# Altium PCB MB1397.PcbDoc (part 3 of 11) (continued)
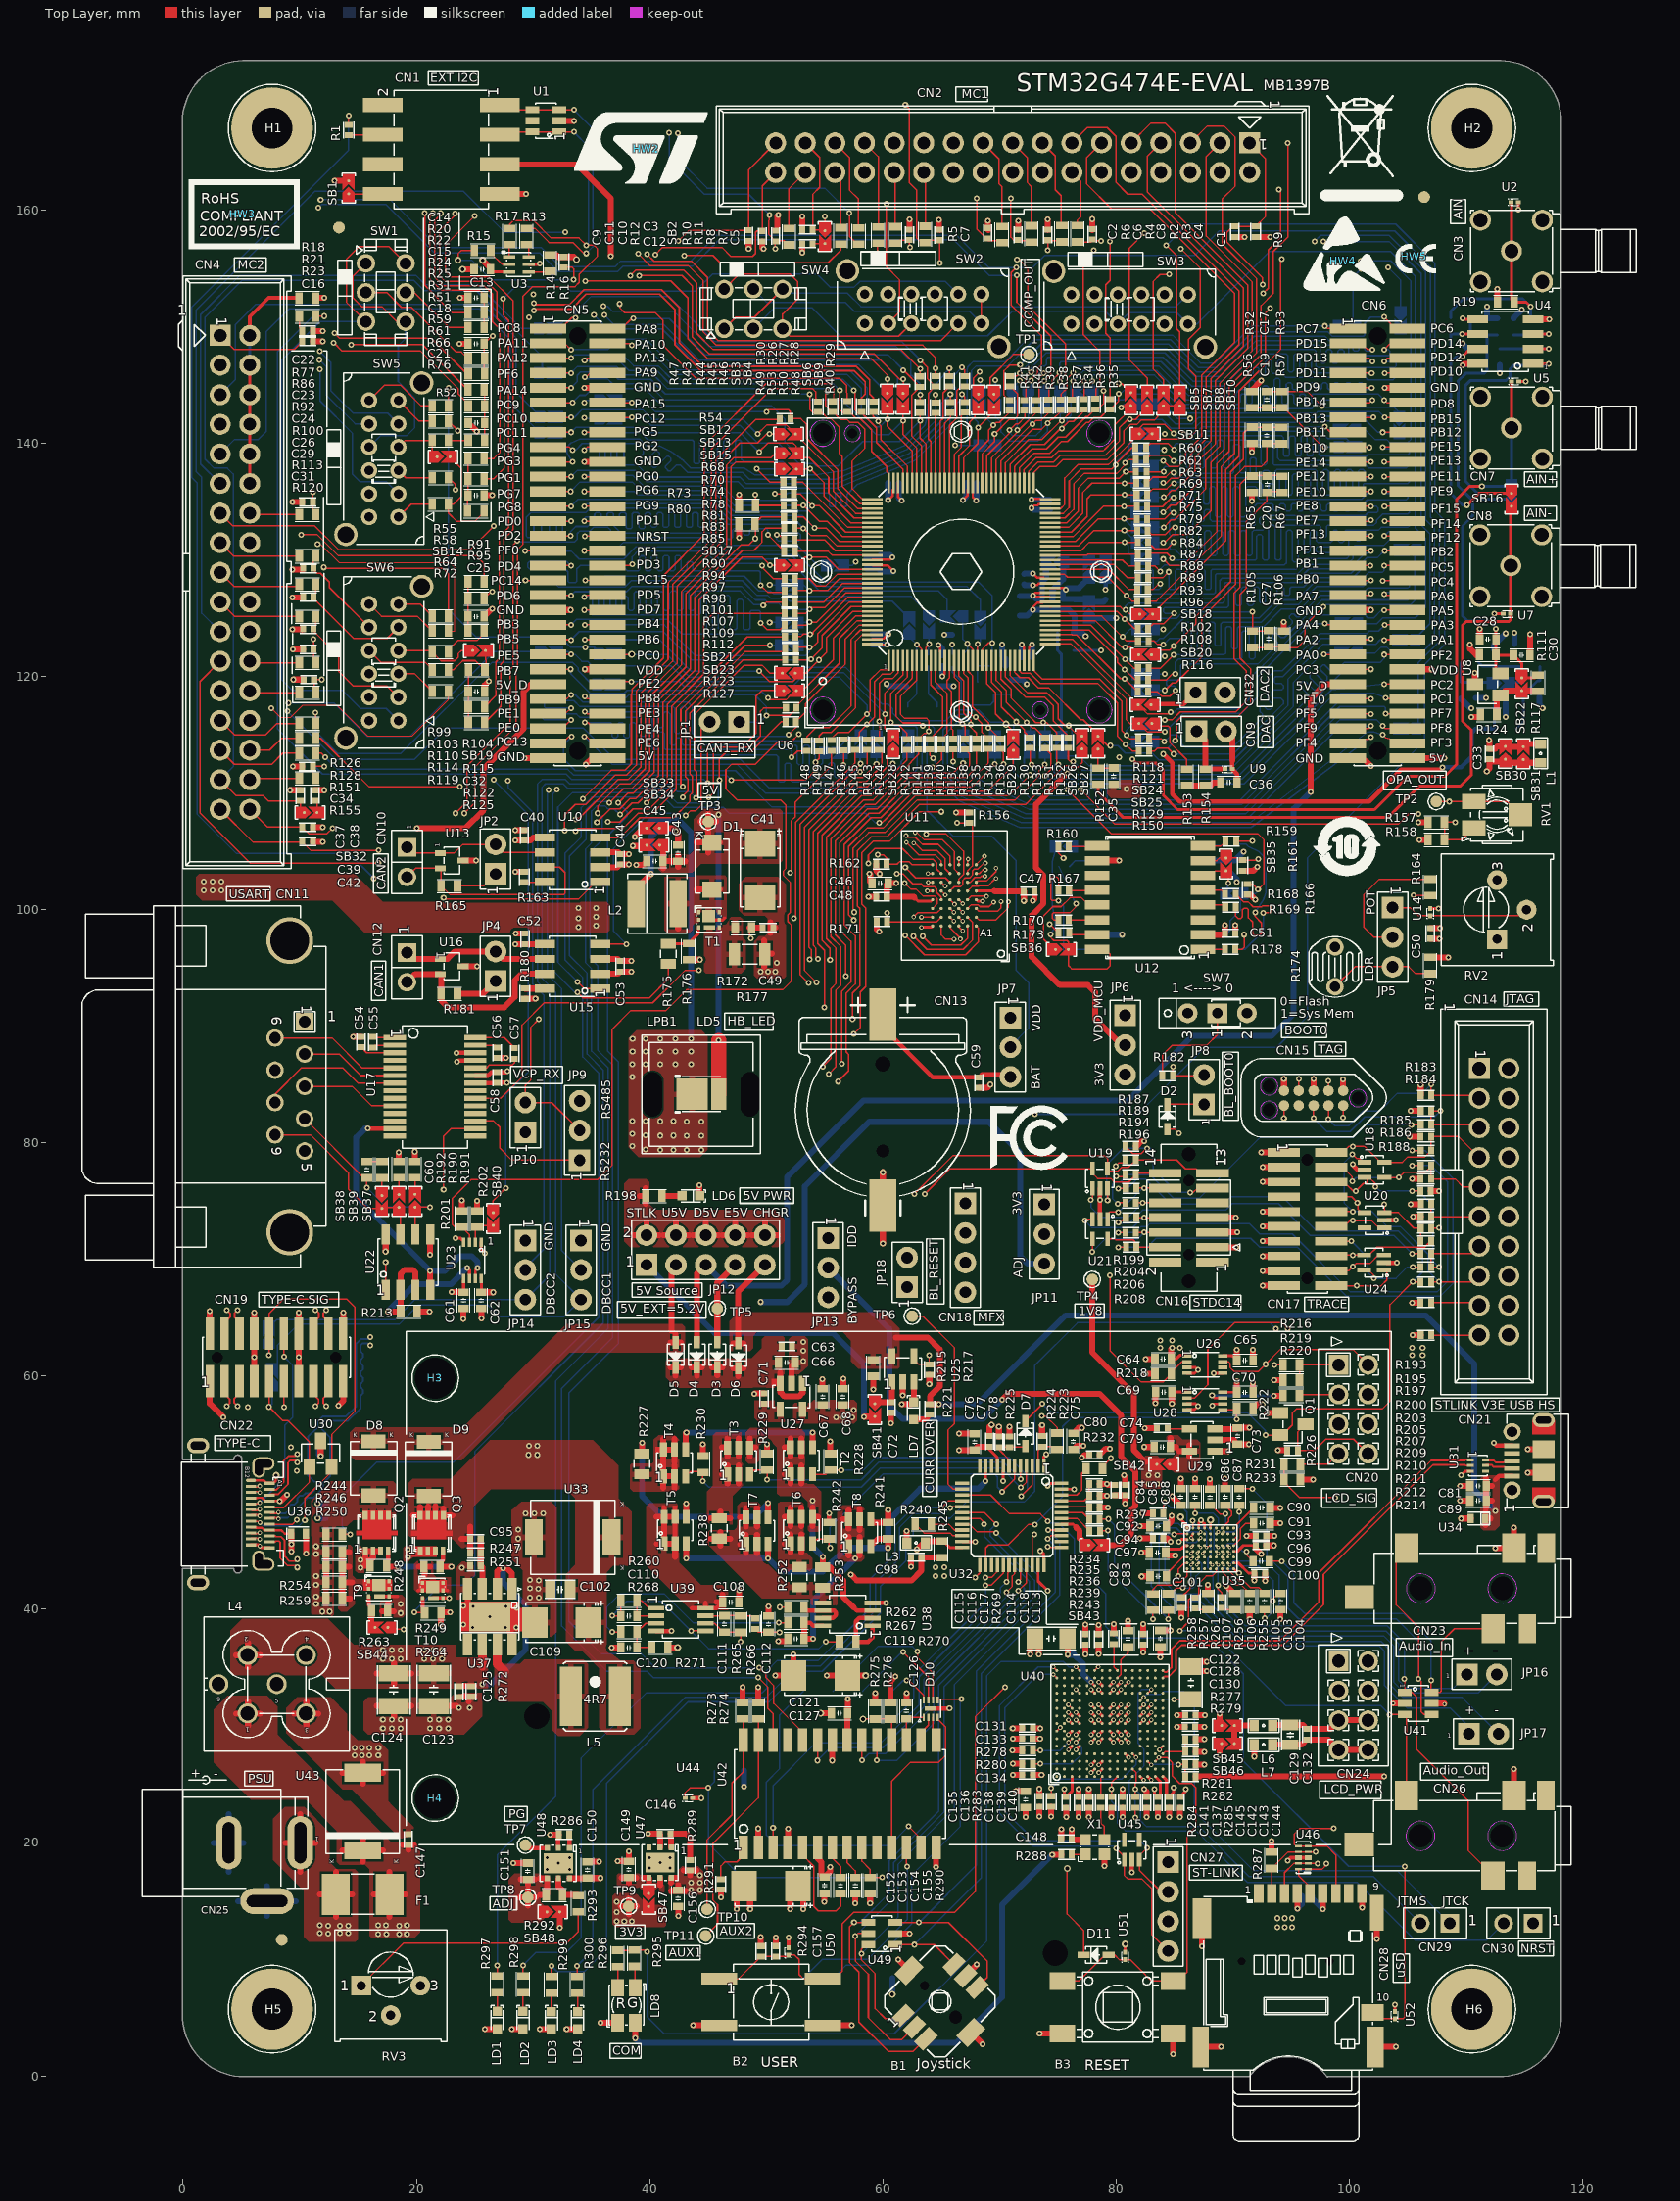
[diagram p0: Top Layer view]
## Nets (pads, with @x,y where several pads share a name; then routed paths per layer and width w, separated by ;. In a path a pad name is that pad's centre, name@x,y a point inside that pad or via, vN(x,y) a via of type N, cw(c..) or ccw(c..) an arc to the next point about the centre after c; other vN are vias at no path point)
1V8: C93.1 C97.2 C100.1 SB42.2 TP4.1 U35.D1 U35.D8 U35.G9 | length 24.4
  Top Layer w0.229: 85.9,45.463 85.903,45.466 ; U35.D8@89.577,45.466 v4(89.736,45.306) ; U35.G9@90.077,43.966 90.477,43.965
  Top Layer w0.249: 85.903,45.466 U35.D1@86.077,45.466
  Top Layer w0.254: C97.2@84.237,44.879 84.279,44.922 84.521,45.161 85.55,45.161 85.649,45.26 85.697,45.26 85.9,45.463 ; 90.477,43.965 91.343,43.101 C100.1@91.851,43.101
  Top Layer w0.508: TP4.1@77.948,68.278 77.948,62.027 81.506,58.468 81.506,53.642 82.522,52.626 ; C97.2@84.237,44.879 84.491,44.625 v1(85.062,44.625) ; v1(91.158,46.276) C93.1@91.978,46.276 ; v1(91.851,42.466) C100.1@91.851,43.101
  other v1: 82.776,50.721 83.538,50.721 82.776,51.483 83.538,51.483
1V8_LDO: C79.2 SB42.1 U29.5 | length 3.1
  Top Layer w0.508: C79.2@84.654,53.911 C79.2@84.653,53.912 ; 84.679,54.686 84.679,54.657 84.654,54.632 C79.2@84.654,53.911 85.138,53.911 ; 85.435,53.558 U29.5@86.264,53.559 ; 86.263,53.081 U29.5@86.264,53.559 ; 86.263,54.036 U29.5@86.264,53.559
3V3: C58.1 C62.2 C65.2 C70.2 C73.2 C84.2 C96.1 C186.1 CN2.28 CN4.28 CN24.1 CN24.2 CN28.4 JP6.3 JP11.1 LD1.1 LD2.1 LD3.1 LD4.1 R9.2 R23.2 R111.2 R191.1 R219.2 R226.1 R287.2 SB45.1 SB47.2 SW2.1 SW2.4 SW2.7 SW3.1 SW3.4 SW3.7 TP9.1 U17.22 U17.26 U22.8 U23.8 U26.8 U28.8 U29.1 U29.3 U35.B2 U35.C2 U35.E9 | length 38.5
  Top Layer w0.229: U35.C2@86.577,45.966 v4(86.416,46.124) U35.B2@86.577,46.466 ; U28.8@89.152,58.616 C70.2@90.307,58.616 ; U35.E9@90.077,44.966 90.396,44.966 90.899,45.469 C96.1@91.951,45.469
  Top Layer w0.254: U23.8@25.551,68.372 25.563,68.36 C62.2@25.563,67.182 ; U26.8@89.151,61.735 89.931,61.735 C65.2@90.331,61.337 ; C70.2@90.307,58.616 C70.2@90.331,58.594
  Top Layer w0.381: v1(23.434,87.711) U17.26@25.04,87.713 ; U17.22@25.04,85.113 26.888,85.113 C58.1@26.924,85.148 v1(27.777,85.146)
  Top Layer w0.508: R23.2@11.118,149.606 11.118,149.603 v1(11.986,149.603) ; v1(17.366,70.665) U22.8@17.367,72.141 ; R191.1@19.847,78.409 v1(19.848,79.233) ; C62.2@25.563,67.182 v1(26.591,67.18) ; v1(25.88,4.016) LD1.1@26.924,4.016 ; v1(28.166,4.016) LD2.1@29.143,4.016 ; v1(30.579,4) LD3.1@31.567,4.002 ; v1(32.865,4) LD4.1@33.81,4.002 ; 37.521,14.526 TP9.1@38.199,14.526 ; 38.199,13.848 TP9.1@38.199,14.526 ; 38.199,15.204 TP9.1@38.199,14.526 ; 38.877,14.526 TP9.1@38.199,14.526 ; v1(84.778,49.675) C84.2@85.529,48.926 ; C84.2@85.529,48.926 C84.2@85.529,48.925 ; U29.1@88.464,53.559 v1(89.616,53.558) ; U29.3@88.464,55.459 90.315,55.458 90.411,55.557 v1(91.412,55.557) ; v1(88.872,31.036) 88.872,30.183 SB45.1@89.035,30.023 ; C70.2@90.331,58.594 v1(90.33,59.55) ; C65.2@90.331,61.337 v1(90.33,62.238) ; R9.2@91.945,157.665 v1(93.182,157.663) ; C96.1@91.951,45.469 91.951,45.23 v1(92.428,44.752) ; R287.2@93.323,19.176 v1(93.322,20.119) ; v1(93.546,59.637) 94.31,59.637 R219.2@94.311,59.639 ; v1(93.848,53.619) R226.1@94.673,53.619 ; v1(95.522,14.318) CN28.4@95.523,15.625 ; v1(110.335,122.73) 110.335,122.349 110.876,121.808 R111.2@111.15,121.808
  Bottom Layer w0.508: v1(95.522,14.318) 95.915,14.712 C186.1@95.915,15.415
  other v1: 93.825,12.748 94.46,12.748 95.095,12.748 37.183,13.256 37.818,13.256 38.453,13.256 93.825,13.51 94.46,13.51 95.095,13.51 37.183,14.018 37.183,14.907
3V3_STLK: C67.2 C68.2 C113.2 C116.2 C117.2 C118.2 C128.2 C130.2 C131.2 C133.2 C134.2 C135.2 C136.2 C137.2 C138.2 C139.2 C140.2 C142.2 C143.2 C144.2 C145.2 C148.2 CN27.1 LD8.4 R278.1 R288.1 U27.5 U40.C1 U40.C5 U40.C7 U40.C8 U40.C9 U40.F3 U40.G3 U40.G13 U40.H13 U40.J12 U40.J13 U40.K4 U40.N8 U40.N9 U40.N10 U40.P1 U40.R1 X1.4 | length 78.3
  Top Layer w0.254: v1(75.537,24.559) 75.537,24.064 75.702,23.899 76.205,24.399 U40.C1@76.205,25.653 ; v2(75.901,29.249) U40.C7@76.203,29.551 ; v2(75.901,30.505) U40.C8@76.203,30.203 ; v2(75.901,31.155) U40.C9@76.203,30.853 ; v2(75.902,27.949) U40.C5@76.205,28.251 ; v2(77.852,26.65) U40.F3@78.155,26.953 ; v2(78.501,33.755) U40.G13@78.805,33.453 ; v2(78.502,26.65) U40.G3@78.805,26.953 ; U40.H13@79.455,33.453 v2(79.757,33.756) ; U40.J12@80.105,32.803 v2(80.407,33.106) ; U40.J13@80.105,33.453 v2(80.407,33.756) ; U40.K4@80.755,27.603 v2(81.057,27.3) ; U40.N8@82.705,30.203 v2(83.007,30.505) ; U40.N9@82.705,30.853 v2(83.007,31.155) ; U40.N10@82.705,31.503 v2(83.007,31.805) ; v1(83.284,24.559) 83.274,24.549 83.274,24.188 83.563,23.899 83.576,23.899 83.792,24.112 83.792,25.215 83.657,25.347 83.657,25.35 U40.P1@83.355,25.653 ; U40.R1@84.005,25.653 84.308,25.35 84.308,24.13 C143.2@84.539,23.899 ; C143.2@84.541,23.899 C143.2@84.539,23.899 ; v1(84.935,24.686) 84.935,24.305 84.539,23.912 C143.2@84.539,23.899 ; C144.2@85.471,23.899 85.951,24.379 v1(85.951,24.559)
  Top Layer w0.508: v1(38.755,3.223) LD8.4@38.756,4.55 ; v1(71.092,27.887) R278.1@71.951,27.888 ; v1(71.377,24.402) C135.2@72.233,24.403 ; C133.2@72.843,28.912 v1(73.472,28.91) ; C134.2@72.851,25.798 v1(73.599,25.796) ; C131.2@72.851,29.799 v1(73.475,29.797) ; C136.2@73.417,23.968 v1(73.416,24.597) ; v1(74.521,18.959) R288.1@75.292,18.961 ; v1(76.18,21.13) C148.2@76.18,20.31 76.258,20.231 X1.4@77.338,20.231 ; C139.2@76.756,23.899 v1(76.756,24.559) ; v1(77.346,36.147) C116.2@77.347,36.969 ; C140.2@77.645,23.899 v1(77.645,24.559) ; v1(78.496,36.154) C117.2@78.497,36.969 ; C137.2@80.538,23.899 v1(80.538,24.559) ; v1(82.306,36.281) C118.2@82.307,36.969 ; v1(82.395,24.559) 82.606,24.348 C145.2@82.607,23.899 ; v1(83.782,35.872) C113.2@83.782,36.786 ; v1(85.204,30.925) C128.2@85.921,30.926 ; v1(85.212,29.916) C130.2@85.882,29.918
  Bottom Layer w0.508: v1(38.755,3.223) 39.136,2.842 66.317,2.842 70.206,6.731 70.206,14.643 v1(74.521,18.959)
  other v1: 55.979,56.436 56.614,56.436 57.376,56.436 57.503,57.071
5V: C44.1 C53.1 C150.1 C152.1 C153.2 C156.2 C159.2 CN2.25 CN4.25 CN5.60 CN6.60 JP12.2 JP12.4 JP12.6 JP12.8 JP12.10 Q4.3 R198.1 R241.2 R277.2 R289.2 R318.2 SB1.2 SB34.2 SB46.1 T8.4 U4.8 U10.3 U15.3 U42.6 U47.6 U48.6 | length 55.7
  Top Layer w0.508: v1(12.977,162.471) SB1.2@14.192,162.472 ; U48.6@33.116,16.924 34.63,16.921 C150.1@34.663,16.954 ; v1(34.516,112.443) 35.052,112.979 CN5.60@36.385,112.981 ; C150.1@34.663,16.956 C150.1@34.663,16.954 ; U15.3@35.761,95.759 37.264,95.758 C53.1@37.45,95.574 v1(38.433,95.573) ; U10.3@35.761,104.901 37.305,104.899 C44.1@37.45,104.756 v1(38.199,104.755) ; v1(35.771,16.954) C150.1@34.663,16.954 ; v1(38.555,105.439) SB34.2@39.723,105.439 ; 38.613,72.073 JP12.2@39.717,72.073 ; 39.164,75.441 R198.1@39.662,75.442 ; 39.662,74.762 R198.1@39.662,75.442 ; 39.662,76.119 R198.1@39.662,75.442 ; 39.715,73.175 JP12.2@39.717,72.073 ; 40.82,72.073 JP12.2@39.717,72.073 ; 41.153,72.073 JP12.4@42.257,72.073 ; 41.831,15.852 C156.2@42.456,15.852 ; 41.841,16.548 U47.6@41.842,16.977 42.245,16.975 ; 42.255,73.175 JP12.4@42.257,72.073 ; 42.456,16.35 C156.2@42.456,15.852 ; 42.944,17.602 R289.2@43.472,17.602 ; 43.078,15.852 C156.2@42.456,15.852 ; 43.36,72.073 JP12.4@42.257,72.073 ; 43.472,17.168 R289.2@43.472,17.602 ; 43.693,72.073 JP12.6@44.797,72.073 ; 44,17.602 R289.2@43.472,17.602 ; 44.795,73.175 JP12.6@44.797,72.073 ; 45.9,72.073 JP12.6@44.797,72.073 ; 46.233,72.073 JP12.8@47.337,72.073 ; 47.335,73.175 JP12.8@47.337,72.073 ; 48.44,72.073 JP12.8@47.337,72.073 ; 48.773,72.073 JP12.10@49.877,72.073 ; 49.875,73.175 JP12.10@49.877,72.073 ; 50.98,72.073 JP12.10@49.877,72.073 ; v1(52.042,14.272) 52.042,15.596 C152.1@52.695,16.25 53.185,15.758 v1(53.185,14.272) ; U42.6@54.393,19.585 54.394,19.583 54.394,18.651 54.709,18.336 54.709,17.259 54.963,17.005 55.471,17.513 v1(55.471,17.894) ; T8.4@58.951,47.708 59.225,47.437 R241.2@60.456,47.437 v1(60.455,48.511) ; R277.2@86.821,28.851 v1(87.574,28.849) ; v1(88.872,27.48) 88.872,28.311 SB46.1@89.035,28.473 ; CN6.60@104.965,112.981 108.123,112.979 v1(108.125,112.977) ; v1(109.7,146.67) 109.827,146.797 U4.8@110.985,146.797
  Bottom Layer w0.508: v1(109.7,146.67) 109.771,146.741 C159.2@110.931,146.741 ; v1(113.383,116.507) Q4.3@113.383,117.734 ; R318.2@116.304,118.219 116.304,117.523 v1(116.558,117.269)
  other v1: 43.533,15.923 44.295,15.923 43.533,16.558 44.295,16.558 44.295,17.193 33.881,98.473 35.405,98.6 33.881,99.235 35.405,99.362 33.881,100.124 35.405,100.124 1.75,101.648 2.512,101.648 3.274,101.648 1.75,102.41 2.512,102.41 3.274,102.41
5V_D: CN5.49 CN6.49 D4.1 JP12.5 | length 200
  Top Layer w0.508: v1(20.038,106.982) 24.229,106.982 25.753,108.506 25.753,112.062 29.182,115.491 29.182,118.666 29.845,119.329 CN5.49@31.285,119.331 ; D4.1@44.041,62.885 44.041,68.776 JP12.5@44.797,69.533 ; v1(96.683,110.094) 96.683,118.095 97.917,119.329 CN6.49@99.865,119.331
  L4_SIG w0.508: v1(20.038,106.982) 16.609,106.982 15.466,105.839 15.466,100.886 16.99,99.362 16.99,74.343 15.847,73.2 15.847,69.009 18.387,66.469 26.007,66.469 27.404,65.072 40.338,65.072 JP12.5@44.797,69.533
  Bottom Layer w0.508: JP12.5@44.797,69.533 46.589,67.739 51.28,67.739 51.788,68.247 51.788,77.086 58.316,83.614 80.973,83.614 86.51,89.151 93.317,89.151 95.222,91.056 95.222,108.633 v1(96.683,110.094)
5V_EXT: C95.2 C102.2 C109.1 D3.1 D9.1 JP12.7 L5.2 Q3.5 Q3.6 Q3.7 Q3.8 R247.2 TP5.1 U33.1 | length 14.5
  Top Layer w0.508: 19.708,48.054 Q3.8@20.308,48.054 20.308,48.763 ; Q3.7@20.983,48.054 20.983,48.788 ; Q3.6@21.633,48.054 21.633,48.828 ; 22.308,48.623 Q3.5@22.308,48.054 23.076,48.054 23.079,48.057 ; 23.837,46.038 C95.2@24.614,46.038 ; R247.2@24.614,44.815 C95.2@24.614,46.038 ; 24.614,47.092 C95.2@24.614,46.038 ; D3.1@45.8,62.894 TP5.1@45.799,65.786 45.799,67.996 JP12.7@47.337,69.533
  other v1: 29.591,53.238 30.353,53.238 29.639,54.021 30.353,54.034
5V_STLK: JP12.1 SB41.2 | length 27.6
  Top Layer w0.508: v1(58.392,56.507) 58.401,56.516 SB41.2@59.306,56.516
  Bottom Layer w0.508: JP12.1@39.717,69.533 45.573,63.675 55.725,63.675 58.392,61.008 v1(58.392,56.507)
5V_USB_CHGR: C81.1 C89.2 CN21.1 D6.1 JP12.9 R215.1 R221.1 U25.5 U34.1 | length 89.3
  Top Layer w0.381: 112.494,51.102 112.812,51.42 CN21.1@113.938,51.421
  Top Layer w0.508: 47.145,62.809 D6.1@47.594,62.81 ; 48.042,62.809 D6.1@47.594,62.81 ; JP12.9@49.877,69.533 47.595,67.249 D6.1@47.594,62.81 ; 61.119,63.294 63.853,63.294 64.869,62.278 64.869,59.103 64.028,58.262 R221.1@64.028,57.6 64.79,57.6 v1(64.806,57.584) ; 111.651,47.198 U34.1@111.652,47.778 ; 111.651,48.357 U34.1@111.652,47.778 ; 111.727,48.679 C89.2@111.727,49.302 ; 111.727,49.924 C89.2@111.727,49.302 ; 111.727,49.949 C81.1@111.727,50.572 ; 111.727,51.194 C81.1@111.727,50.572 ; 112.105,47.777 U34.1@111.652,47.778 ; 112.225,49.301 C89.2@111.727,49.302 ; 112.225,50.571 C81.1@111.727,50.572
  Bottom Layer w0.508: v1(64.806,57.584) 68.049,57.584 75.664,65.199 106.525,65.199 110.716,61.008 110.716,50.213 v1(112.494,48.435)
5V_USB_PD: D5.1 D8.2 D9.2 JP12.3 | length 7.4
  Top Layer w0.508: 41.77,62.878 D5.1@42.219,62.878 ; 41.882,63.881 41.882,69.157 JP12.3@42.257,69.533 ; 42.217,63.586 D5.1@42.219,62.878 ; 42.667,62.878 D5.1@42.219,62.878
A0: CN6.51 R136.2 U11.A3 | length 122.2
  Top Layer w0.127: U11.A3@66.499,98.585 66.5,98.504 v2(66.832,98.171) ; R136.2@70.029,113.765 70.33,113.462 v1(70.33,112.469) ; CN6.51@99.865,118.061 v1(101.826,118.059)
  L4_SIG w0.102: v2(66.832,98.171) 67.102,98.171 67.739,97.533 69.822,97.533 69.924,97.432 69.924,95.425 70.051,95.298 70.279,95.298 70.381,95.4 70.381,97.483 70.482,97.584 70.686,97.584 70.787,97.483 70.787,95.603 71.092,95.298 71.194,95.4 71.194,97.483 71.295,97.584 71.498,97.584 71.6,97.483 71.6,95.4 71.702,95.298 71.905,95.298 72.006,95.4 72.006,97.483 72.108,97.584 72.311,97.584 72.413,97.483 72.413,95.4 72.514,95.298 72.718,95.298 72.819,95.4 72.819,96.949 72.921,97.051 73.124,97.051 73.226,96.949 73.226,95.425 73.353,95.298 73.556,95.298 73.657,95.4 73.657,96.314 73.759,96.416 73.962,96.416 74.064,96.314 74.064,95.4 74.165,95.298 91.539,95.298 93.279,97.036 95.197,98.953 95.197,101.547 101.42,107.77 101.42,111.63 101.597,111.808 102.436,111.808 103.477,112.85 103.477,116.126 103.35,116.253 102.486,116.253 102.309,116.431 102.309,117.168 102.436,117.295 103.198,117.295 103.299,117.396 103.299,117.599 103.198,117.701 102.232,117.701 102.131,117.599 101.318,117.599 101.216,117.701 101.216,117.955 101.321,118.059 v1(101.826,118.059)
  Bottom Layer w0.127: v1(70.33,112.469) 70.33,111.808 72.768,109.37 77.564,109.37 77.691,109.497 77.691,110.284 77.818,110.411 78.072,110.411 78.199,110.284 78.199,109.497 78.326,109.37 78.58,109.37 78.707,109.497 78.707,110.284 78.834,110.411 79.088,110.411 79.215,110.284 79.215,109.497 79.342,109.37 90.602,109.37 99.291,118.059 v1(101.826,118.059)
A1: CN6.54 R138.2 U11.A4 | length 123
  Top Layer w0.127: U11.A4@65.749,98.585 65.748,98.438 66.634,97.551 v2(66.634,97.47) ; v1(66.901,111.808) 67.409,112.316 67.409,113.378 67.038,113.749 R138.2@67.039,113.748 ; v1(103.096,116.789) CN6.54@104.965,116.791
  L4_SIG w0.102: v2(66.634,97.47) 66.634,97.66 66.736,97.762 67.003,97.762 67.114,97.65 67.114,96.746 67.216,96.644 67.419,96.644 67.521,96.746 67.521,97.127 67.622,97.229 67.826,97.229 67.927,97.127 67.927,95.908 68.029,95.806 68.232,95.806 68.334,95.908 68.334,97.127 68.435,97.229 68.638,97.229 68.765,97.102 68.765,95.095 68.867,94.993 69.07,94.993 69.172,95.095 69.172,97.127 69.273,97.229 69.492,97.229 69.593,97.127 69.593,95.095 69.695,94.993 91.666,94.993 95.501,98.826 95.501,101.42 97.279,103.198 97.437,103.198 98.316,102.319 98.458,102.319 98.57,102.431 98.603,102.479 98.603,102.634 97.744,103.492 97.744,103.662 97.887,103.805 98.031,103.805 98.801,103.035 98.946,103.035 99.075,103.165 99.075,103.335 98.318,104.092 98.318,104.237 98.443,104.361 98.588,104.361 99.263,103.685 99.408,103.685 99.532,103.81 99.538,103.817 99.538,103.96 98.946,104.554 98.946,104.696 99.09,104.841 99.245,104.841 99.753,104.333 99.898,104.333 99.898,104.336 100.04,104.539 100.04,104.62 99.609,105.054 99.609,105.349 99.746,105.486 99.891,105.486 100.254,105.12 100.399,105.12 100.541,105.265 100.541,105.41 100.203,105.748 100.203,105.943 100.366,106.106 100.533,106.106 100.769,105.87 100.914,105.87 101.056,106.012 101.056,106.157 100.81,106.406 100.81,106.55 100.957,106.698 101.128,106.698 101.275,106.553 101.417,106.553 101.509,106.642 101.562,106.718 101.562,106.84 101.343,107.058 101.343,107.231 101.826,107.714 102.055,107.714 102.156,107.815 102.156,108.019 102.055,108.12 101.826,108.12 101.724,108.222 101.724,108.45 101.826,108.552 102.372,108.552 102.461,108.638 102.474,108.676 102.474,108.857 102.372,108.958 101.826,108.958 101.724,109.06 101.724,111.402 101.826,111.503 102.563,111.503 103.782,112.723 103.782,116.357 103.35,116.789 v1(103.096,116.789)
  Bottom Layer w0.127: v1(66.901,111.808) 71.643,109.416 72.573,108.989 90.76,108.989 99.17,117.399 102.969,117.399 103.096,117.272 v1(103.096,116.789)
A2: CN6.46 R132.2 U11.A5 | length 120.5
  Top Layer w0.127: U11.A5@64.999,98.585 64.999,97.81 65.364,97.445 v2(66.088,97.445) ; R132.2@75.888,113.85 75.888,112.855 76.045,112.697 v1(76.299,112.697) ; v1(102.984,121.857) 102.997,121.869 CN6.46@104.965,121.871
  L4_SIG w0.102: v2(66.088,97.445) 66.088,97.29 68.692,94.689 91.793,94.689 96.302,99.197 96.302,99.339 95.806,99.837 95.806,99.997 95.941,100.132 96.086,100.132 96.563,99.654 96.759,99.654 96.891,99.784 96.891,99.929 95.865,100.952 95.865,101.097 96.009,101.242 96.152,101.242 97.165,100.228 97.333,100.228 97.574,100.47 97.706,100.658 97.678,100.818 96.533,101.615 96.507,101.755 96.624,101.923 96.766,101.948 97.92,101.143 98.062,101.168 98.186,101.346 98.153,101.534 97.122,102.253 97.122,102.431 97.259,102.568 97.379,102.568 98.377,101.874 98.555,101.874 102.283,107.218 102.639,108.227 102.636,108.227 102.913,109.004 102.837,109.164 102.199,109.39 102.136,109.52 102.205,109.71 102.334,109.774 102.994,109.54 103.124,109.604 103.182,109.771 103.091,109.964 102.131,110.305 102.07,110.432 102.138,110.625 102.268,110.686 103.264,110.335 103.406,110.404 103.454,110.538 103.368,110.719 102.791,110.924 102.728,111.051 102.796,111.244 102.926,111.305 103.541,111.089 103.67,111.153 103.726,111.305 103.662,111.435 103.441,111.511 103.381,111.641 103.449,111.834 103.579,111.895 103.8,111.818 103.929,111.879 104.087,112.329 104.087,116.609 103.655,117.041 103.655,119.931 103.508,120.079 103.096,120.079 102.994,120.18 102.994,120.383 103.096,120.485 103.508,120.485 103.609,120.587 103.609,120.79 103.508,120.891 103.096,120.891 102.994,120.993 102.994,121.196 103.096,121.298 103.508,121.298 103.609,121.399 103.609,121.752 103.508,121.854 v1(102.984,121.857)
  Bottom Layer w0.127: v1(76.299,112.697) 77.066,111.93 90.303,111.93 96.463,118.09 96.463,118.446 95.796,119.113 95.796,119.331 96.008,119.543 96.241,119.543 96.962,118.821 97.194,118.821 97.312,118.939 97.312,119.175 96.596,119.891 96.596,120.106 96.784,120.294 97.028,120.294 97.739,119.583 97.956,119.583 98.095,119.722 98.095,119.964 97.495,120.564 97.495,120.749 97.724,120.978 97.869,120.978 98.501,120.345 98.718,120.345 99.579,121.206 102.653,121.206 102.984,121.538 v1(102.984,121.857)
A3: CN6.58 R139.2 U11.B3 | length 123.1
  Top Layer w0.127: R139.2@64.028,113.723 64.028,113.233 v1(64.285,112.977) ; U11.B3@66.499,99.335 v2(66.832,99.002) ; v1(102.842,114.983) 103.096,114.729 CN6.58@104.965,114.249
  L4_SIG w0.102: v2(66.832,99.002) 67.135,99.002 67.902,98.235 73.464,98.235 73.581,98.118 73.581,97.533 74.089,97.025 76.449,97.025 76.551,97.127 76.551,99.108 76.652,99.21 76.855,99.21 76.957,99.108 76.957,97.127 77.059,97.025 77.262,97.025 77.363,97.127 77.363,99.108 77.465,99.21 77.668,99.21 77.77,99.108 77.77,97.127 77.871,97.025 78.356,97.025 78.458,97.127 78.458,99.743 78.56,99.845 78.763,99.845 78.864,99.743 78.864,97.127 78.966,97.025 79.195,97.025 79.296,97.127 79.296,99.794 79.398,99.896 79.652,99.896 79.753,99.794 79.753,98.372 79.88,98.245 80.109,98.245 80.211,98.346 80.211,99.794 80.312,99.896 80.719,99.896 80.82,99.794 80.82,98.372 80.922,98.27 81.125,98.27 81.227,98.372 81.227,99.794 81.328,99.896 81.582,99.896 81.684,99.794 81.684,96.848 81.862,96.67 91.996,96.67 94.587,99.261 94.587,101.826 100.81,108.047 100.81,114.729 101.318,115.237 102.588,115.237 v1(102.842,114.983)
  Bottom Layer w0.127: v1(64.285,112.977) 64.767,112.189 64.767,111.625 66.695,109.698 71.854,107.439 91.478,107.439 101.572,115.237 102.08,115.237 v1(102.842,114.983)
A4: CN6.57 R140.2 U11.B4 | length 124.3
  Top Layer w0.127: v1(64.234,112.177) 64.348,112.177 65.016,112.845 R140.2@65.016,113.723 ; U11.B4@65.749,99.335 65.75,99.334 v2(66.083,99.002) ; CN6.57@99.865,114.251 100.965,114.249 101.318,114.602 101.636,114.602 v1(101.826,114.793)
  L4_SIG w0.102: v2(66.083,99.002) 66.083,98.704 66.185,98.603 67.102,98.603 67.815,97.889 73.152,97.889 73.251,97.79 73.251,97.432 73.962,96.721 74.292,96.721 75.41,95.603 77.239,95.603 77.34,95.705 77.34,96.441 77.442,96.543 77.645,96.543 77.747,96.441 77.747,95.705 77.848,95.603 78.052,95.603 78.153,95.705 78.153,96.441 78.255,96.543 78.458,96.543 78.56,96.441 78.56,95.705 78.661,95.603 78.864,95.603 78.966,95.705 78.966,96.441 79.068,96.543 79.271,96.543 79.372,96.441 79.372,95.705 79.474,95.603 79.814,95.603 79.916,95.705 79.916,97.254 80.018,97.356 80.221,97.356 80.322,97.254 80.322,95.705 80.424,95.603 80.627,95.603 80.729,95.705 80.729,97.254 80.83,97.356 81.034,97.356 81.135,97.254 81.135,95.705 81.237,95.603 81.504,95.603 81.605,95.705 81.605,96.263 81.707,96.365 81.91,96.365 82.012,96.263 82.012,95.705 82.113,95.603 82.316,95.603 82.418,95.705 82.418,96.263 82.52,96.365 82.723,96.365 82.824,96.263 82.824,95.705 82.926,95.603 83.129,95.603 83.231,95.705 83.231,96.263 83.332,96.365 83.536,96.365 83.637,96.263 83.637,95.705 83.739,95.603 83.942,95.603 84.044,95.705 84.044,96.263 84.145,96.365 84.348,96.365 84.45,96.263 84.45,95.705 84.552,95.603 84.755,95.603 84.856,95.705 84.856,96.263 84.958,96.365 85.161,96.365 85.263,96.263 85.263,95.705 85.364,95.603 85.568,95.603 85.669,95.705 85.669,96.263 85.771,96.365 85.974,96.365 86.076,96.263 86.076,95.705 86.177,95.603 86.38,95.603 86.482,95.705 86.482,96.263 86.584,96.365 86.787,96.365 86.888,96.263 86.888,95.705 86.99,95.603 87.193,95.603 87.295,95.705 87.295,96.263 87.396,96.365 87.6,96.365 87.701,96.263 87.701,95.705 87.803,95.603 88.006,95.603 88.108,95.705 88.108,96.263 88.209,96.365 88.412,96.365 88.514,96.263 88.514,95.705 88.616,95.603 88.819,95.603 88.92,95.705 88.92,96.263 89.022,96.365 89.225,96.365 89.327,96.263 89.327,95.705 89.428,95.603 89.632,95.603 89.733,95.705 89.733,96.263 89.835,96.365 90.038,96.365 90.14,96.263 90.14,95.705 90.241,95.603 90.444,95.603 90.546,95.705 90.546,96.263 90.648,96.365 90.851,96.365 90.952,96.263 90.952,95.705 91.054,95.603 91.415,95.603 94.892,99.08 94.892,101.699 101.115,107.922 101.115,114.079 v1(101.826,114.793)
  Bottom Layer w0.127: v1(64.234,112.177) 64.234,111.62 66.553,109.301 71.727,107.033 91.575,107.033 v1(101.826,114.793)
A5: CN6.53 R137.2 U11.C3 | length 123.4
  Top Layer w0.127: v1(66.015,112.697) R137.2@66.015,113.748 ; U11.C3@66.499,100.085 66.5,100.086 v2(66.832,99.753) ; CN6.53@99.865,116.791 101.798,116.789 v1(101.826,116.761)
  L4_SIG w0.102: v2(66.832,99.753) 68.044,98.539 73.591,98.539 73.886,98.245 73.886,97.66 74.216,97.33 75.08,97.33 75.232,97.483 75.232,99.438 75.334,99.54 75.603,99.54 75.705,99.438 75.705,97.483 75.806,97.381 76.01,97.381 76.111,97.483 76.111,99.438 76.213,99.54 77.874,99.54 78.052,99.718 78.052,100.099 78.153,100.2 81.945,100.2 82.047,100.099 82.047,97.076 82.149,96.975 82.352,96.975 82.453,97.076 82.453,100.099 82.555,100.2 82.786,100.2 82.888,100.099 82.888,97.076 82.989,96.975 83.193,96.975 83.294,97.076 83.294,100.099 83.396,100.2 83.624,100.2 83.726,100.099 83.726,97.076 83.828,96.975 84.031,96.975 84.132,97.076 84.132,100.099 84.234,100.2 84.529,100.2 84.63,100.099 84.63,97.229 84.884,96.975 91.869,96.975 94.282,99.388 94.282,101.951 100.505,108.174 100.505,116.456 100.81,116.761 v1(101.826,116.761)
  Bottom Layer w0.127: v1(66.015,112.697) 66.015,112.06 66.901,111.173 72.489,108.608 89.99,108.608 90.914,108.608 98.778,116.472 99.068,116.761 v1(101.826,116.761)
A6: CN6.30 R93.2 U11.C4 | length 122.1
  Top Layer w0.127: U11.C4@65.749,100.085 65.75,100.086 v2(66.083,99.753) ; R93.2@82.712,127.455 83.182,127.455 83.665,127.937 v1(83.792,127.937) ; v1(102.969,132.029) CN6.30@104.965,132.031
  L4_SIG w0.102: v2(66.083,99.753) 65.86,99.753 65.733,99.88 65.733,100.708 65.606,100.835 65.334,100.835 65.225,100.726 65.225,97.29 68.463,94.054 92.022,94.054 98.176,100.208 102.885,106.959 104.696,112.093 104.696,116.863 104.264,117.295 104.264,122.502 104.62,122.857 104.62,130.371 103.998,131.303 103.756,131.544 102.563,131.544 102.461,131.646 102.461,132.636 102.588,132.763 102.842,132.763 102.969,132.636 v1(102.969,132.029)
  Bottom Layer w0.127: v1(83.792,127.937) 83.792,127.556 83.665,127.429 83.284,127.429 83.157,127.556 83.157,129.08 83.03,129.207 81.755,129.207 81.633,129.085 81.633,127.175 81.76,127.048 82.014,127.048 82.141,127.175 82.141,128.699 82.268,128.826 82.522,128.826 82.649,128.699 82.649,127.175 82.776,127.048 88.364,127.048 88.504,127.188 88.504,128.674 88.631,128.801 95.583,128.801 96.37,129.588 99.794,129.588 100.322,130.117 100.322,131.112 100.449,131.239 102.969,131.239 103.477,131.747 104.874,131.747 105.001,131.874 105.001,132.255 104.874,132.382 103.322,132.382 v1(102.969,132.029)
A7: CN6.29 R89.2 U11.D4 | length 122.2
  Top Layer w0.127: U11.D4@65.749,100.835 65.75,100.835 v2(66.134,100.449) ; R89.2@82.742,128.441 83.99,128.44 v1(84.503,128.953) ; CN6.29@99.865,132.031 v1(101.826,132.029)
  L4_SIG w0.102: v2(66.134,100.449) 66.469,100.114 66.469,99.591 66.266,99.388 65.656,99.388 65.557,99.289 65.557,98.4 65.606,98.351 65.91,98.351 66.012,98.25 66.012,98.047 65.91,97.945 65.606,97.945 65.527,97.866 65.527,97.419 65.661,97.285 68.59,94.358 91.895,94.358 97.912,100.376 102.621,107.125 104.391,112.144 104.391,116.736 103.96,117.168 103.96,122.679 104.29,123.01 104.29,129.791 104.163,129.918 103.218,129.918 103.116,130.02 103.116,130.223 103.218,130.325 103.985,130.325 104.092,130.432 104.092,130.614 103.95,130.757 103.553,130.757 103.452,130.858 103.452,131.112 103.327,131.239 102.385,131.239 102.105,131.519 101.318,131.519 101.191,131.646 101.191,131.9 101.321,132.029 v1(101.826,132.029)
  Bottom Layer w0.127: v1(84.503,128.953) 84.503,127.556 84.63,127.429 84.948,127.429 85.075,127.556 85.075,129.055 85.202,129.182 85.456,129.182 85.583,129.055 85.583,127.556 85.71,127.429 85.964,127.429 86.091,127.556 86.091,129.055 86.218,129.182 86.472,129.182 86.599,129.055 86.599,127.556 86.726,127.429 86.98,127.429 87.107,127.556 87.107,129.055 87.234,129.182 87.488,129.182 87.615,129.055 87.615,127.556 87.742,127.429 87.996,127.429 88.123,127.556 88.123,129.055 88.25,129.182 95.425,129.182 96.34,130.096 99.764,130.096 99.941,130.277 99.941,130.457 99.794,130.604 97.254,130.604 97.127,130.731 97.127,130.985 97.254,131.112 99.794,131.112 99.921,131.239 99.921,132.001 100.048,132.128 100.396,132.128 100.523,132.001 100.523,131.747 100.65,131.62 100.904,131.62 101.031,131.747 101.031,132.001 101.158,132.128 101.727,132.128 v1(101.826,132.029)
A8: CN6.28 R88.2 U11.H2 | length 124.6
  Top Layer w0.127: U11.H2@67.249,103.835 67.249,104.282 v2(67.295,104.328) ; R88.2@82.737,129.457 83.315,129.456 v1(83.792,128.979) ; v1(103.033,133.299) CN6.28@104.965,133.301
  L4_SIG w0.102: v2(67.295,104.328) 65.072,102.324 64.92,101.94 64.92,97.155 68.374,93.698 92.098,93.698 98.443,100.046 103.149,106.792 105.001,112.039 105.001,117.015 104.62,117.396 104.62,122.222 105.001,122.603 105.001,130.35 v1(103.033,133.299)
  Bottom Layer w0.127: v1(83.792,128.979) 83.792,129.192 84.163,129.563 94.435,129.563 94.587,129.715 94.587,132.382 94.714,132.509 94.981,132.509 95.108,132.382 95.108,129.936 95.235,129.809 95.489,129.809 95.616,129.936 95.616,132.382 95.743,132.509 95.997,132.509 96.124,132.382 96.124,130.731 96.251,130.604 96.505,130.604 96.632,130.731 96.632,132.382 96.759,132.509 97.013,132.509 97.14,132.382 97.14,131.62 97.267,131.493 98.397,131.493 98.524,131.62 98.524,132.382 98.651,132.509 98.905,132.509 99.032,132.382 99.032,131.62 99.159,131.493 99.413,131.493 99.54,131.62 99.54,132.382 99.667,132.509 102.461,132.509 102.715,132.763 105.001,132.763 105.128,132.89 105.128,133.144 104.973,133.299 v1(103.033,133.299)
A9: CN6.26 R87.2 U11.H3 | length 126.6
  Top Layer w0.127: U11.H3@66.499,103.835 66.5,104.346 v2(66.52,104.366) ; R87.2@82.755,130.468 82.756,130.467 82.842,130.553 84.351,130.553 v1(84.808,130.096) ; v1(102.994,134.569) CN6.26@104.965,134.571
  L4_SIG w0.102: v2(66.52,104.366) 64.806,102.527 64.59,101.996 64.59,97.053 64.821,96.822 68.247,93.393 92.326,93.393 98.636,99.7 103.444,106.655 105.306,111.933 105.306,117.142 104.925,117.523 104.925,122.095 105.306,122.476 105.306,131.112 v1(102.994,134.569)
  Bottom Layer w0.127: v1(84.808,130.096) 84.935,129.969 91.92,129.969 92.047,130.096 92.047,132.001 92.174,132.128 92.428,132.128 92.555,132.001 92.555,130.096 92.682,129.969 92.936,129.969 93.063,130.096 93.063,132.827 93.19,132.954 93.508,132.954 93.635,132.827 93.635,130.096 93.762,129.969 94.016,129.969 94.143,130.096 94.143,132.827 94.27,132.954 97.394,132.954 97.521,132.827 97.521,132.001 97.648,131.874 97.902,131.874 98.029,132.001 98.029,132.827 98.156,132.954 102.083,132.954 102.334,133.205 102.334,133.398 102.842,133.906 105.001,133.906 105.128,134.033 105.128,134.414 104.973,134.569 v1(102.994,134.569)
A10: CN5.22 R48.2 U11.H4 | length 124.2
  Top Layer w0.127: v1(34.389,137.112) 36.386,137.112 CN5.22@36.385,137.111 ; v2(61.973,106.335) 61.986,106.335 62.123,106.195 62.766,106.195 63.376,105.585 64.742,105.585 65.748,104.582 U11.H4@65.749,103.835 ; v1(66.761,144.168) 66.774,144.168 67.003,143.942 R48.2@67.003,143.524
  L4_SIG w0.102: v1(34.389,137.112) 34.389,137.335 34.491,137.437 36.345,137.437 36.472,137.31 36.472,127.683 36.751,127.404 42.034,127.404 48.283,121.155 48.283,119.2 49.146,118.336 49.146,114.907 53.236,110.818 56.982,110.818 57.084,110.716 57.084,108.938 57.186,108.836 57.389,108.836 57.49,108.938 57.49,110.716 57.592,110.818 57.795,110.818 57.897,110.716 57.897,108.938 57.998,108.836 58.202,108.836 58.303,108.938 58.303,110.716 58.405,110.818 58.608,110.818 58.71,110.716 58.71,108.938 58.811,108.836 59.014,108.836 59.116,108.938 59.116,110.716 59.218,110.818 59.421,110.818 59.522,110.716 59.522,108.938 59.624,108.836 59.827,108.836 59.929,108.938 59.929,110.716 60.03,110.818 60.234,110.818 60.335,110.716 60.335,108.938 60.437,108.836 60.64,108.836 60.742,108.938 60.742,110.716 60.843,110.818 61.046,110.818 61.148,110.716 61.148,108.938 61.25,108.836 61.453,108.836 61.554,108.938 61.554,110.716 61.656,110.818 61.973,110.818 62.075,110.716 62.075,106.436 v2(61.973,106.335)
  Bottom Layer w0.127: v1(34.389,137.112) 34.486,137.208 38.58,137.208 39.469,136.319 46.2,136.319 47.445,135.075 51.204,135.075 51.839,135.71 55.281,135.71 55.408,135.583 55.408,134.668 55.535,134.541 55.789,134.541 55.916,134.668 55.916,135.583 56.043,135.71 56.297,135.71 56.424,135.583 56.424,134.668 56.551,134.541 56.805,134.541 56.932,134.668 56.932,135.583 57.788,136.439 62.71,138.478 65.758,141.526 65.758,142.796 66.761,143.8 v1(66.761,144.168)